# Altium PCB fastic-readout.PcbDoc (part 1 of 6) (continued)
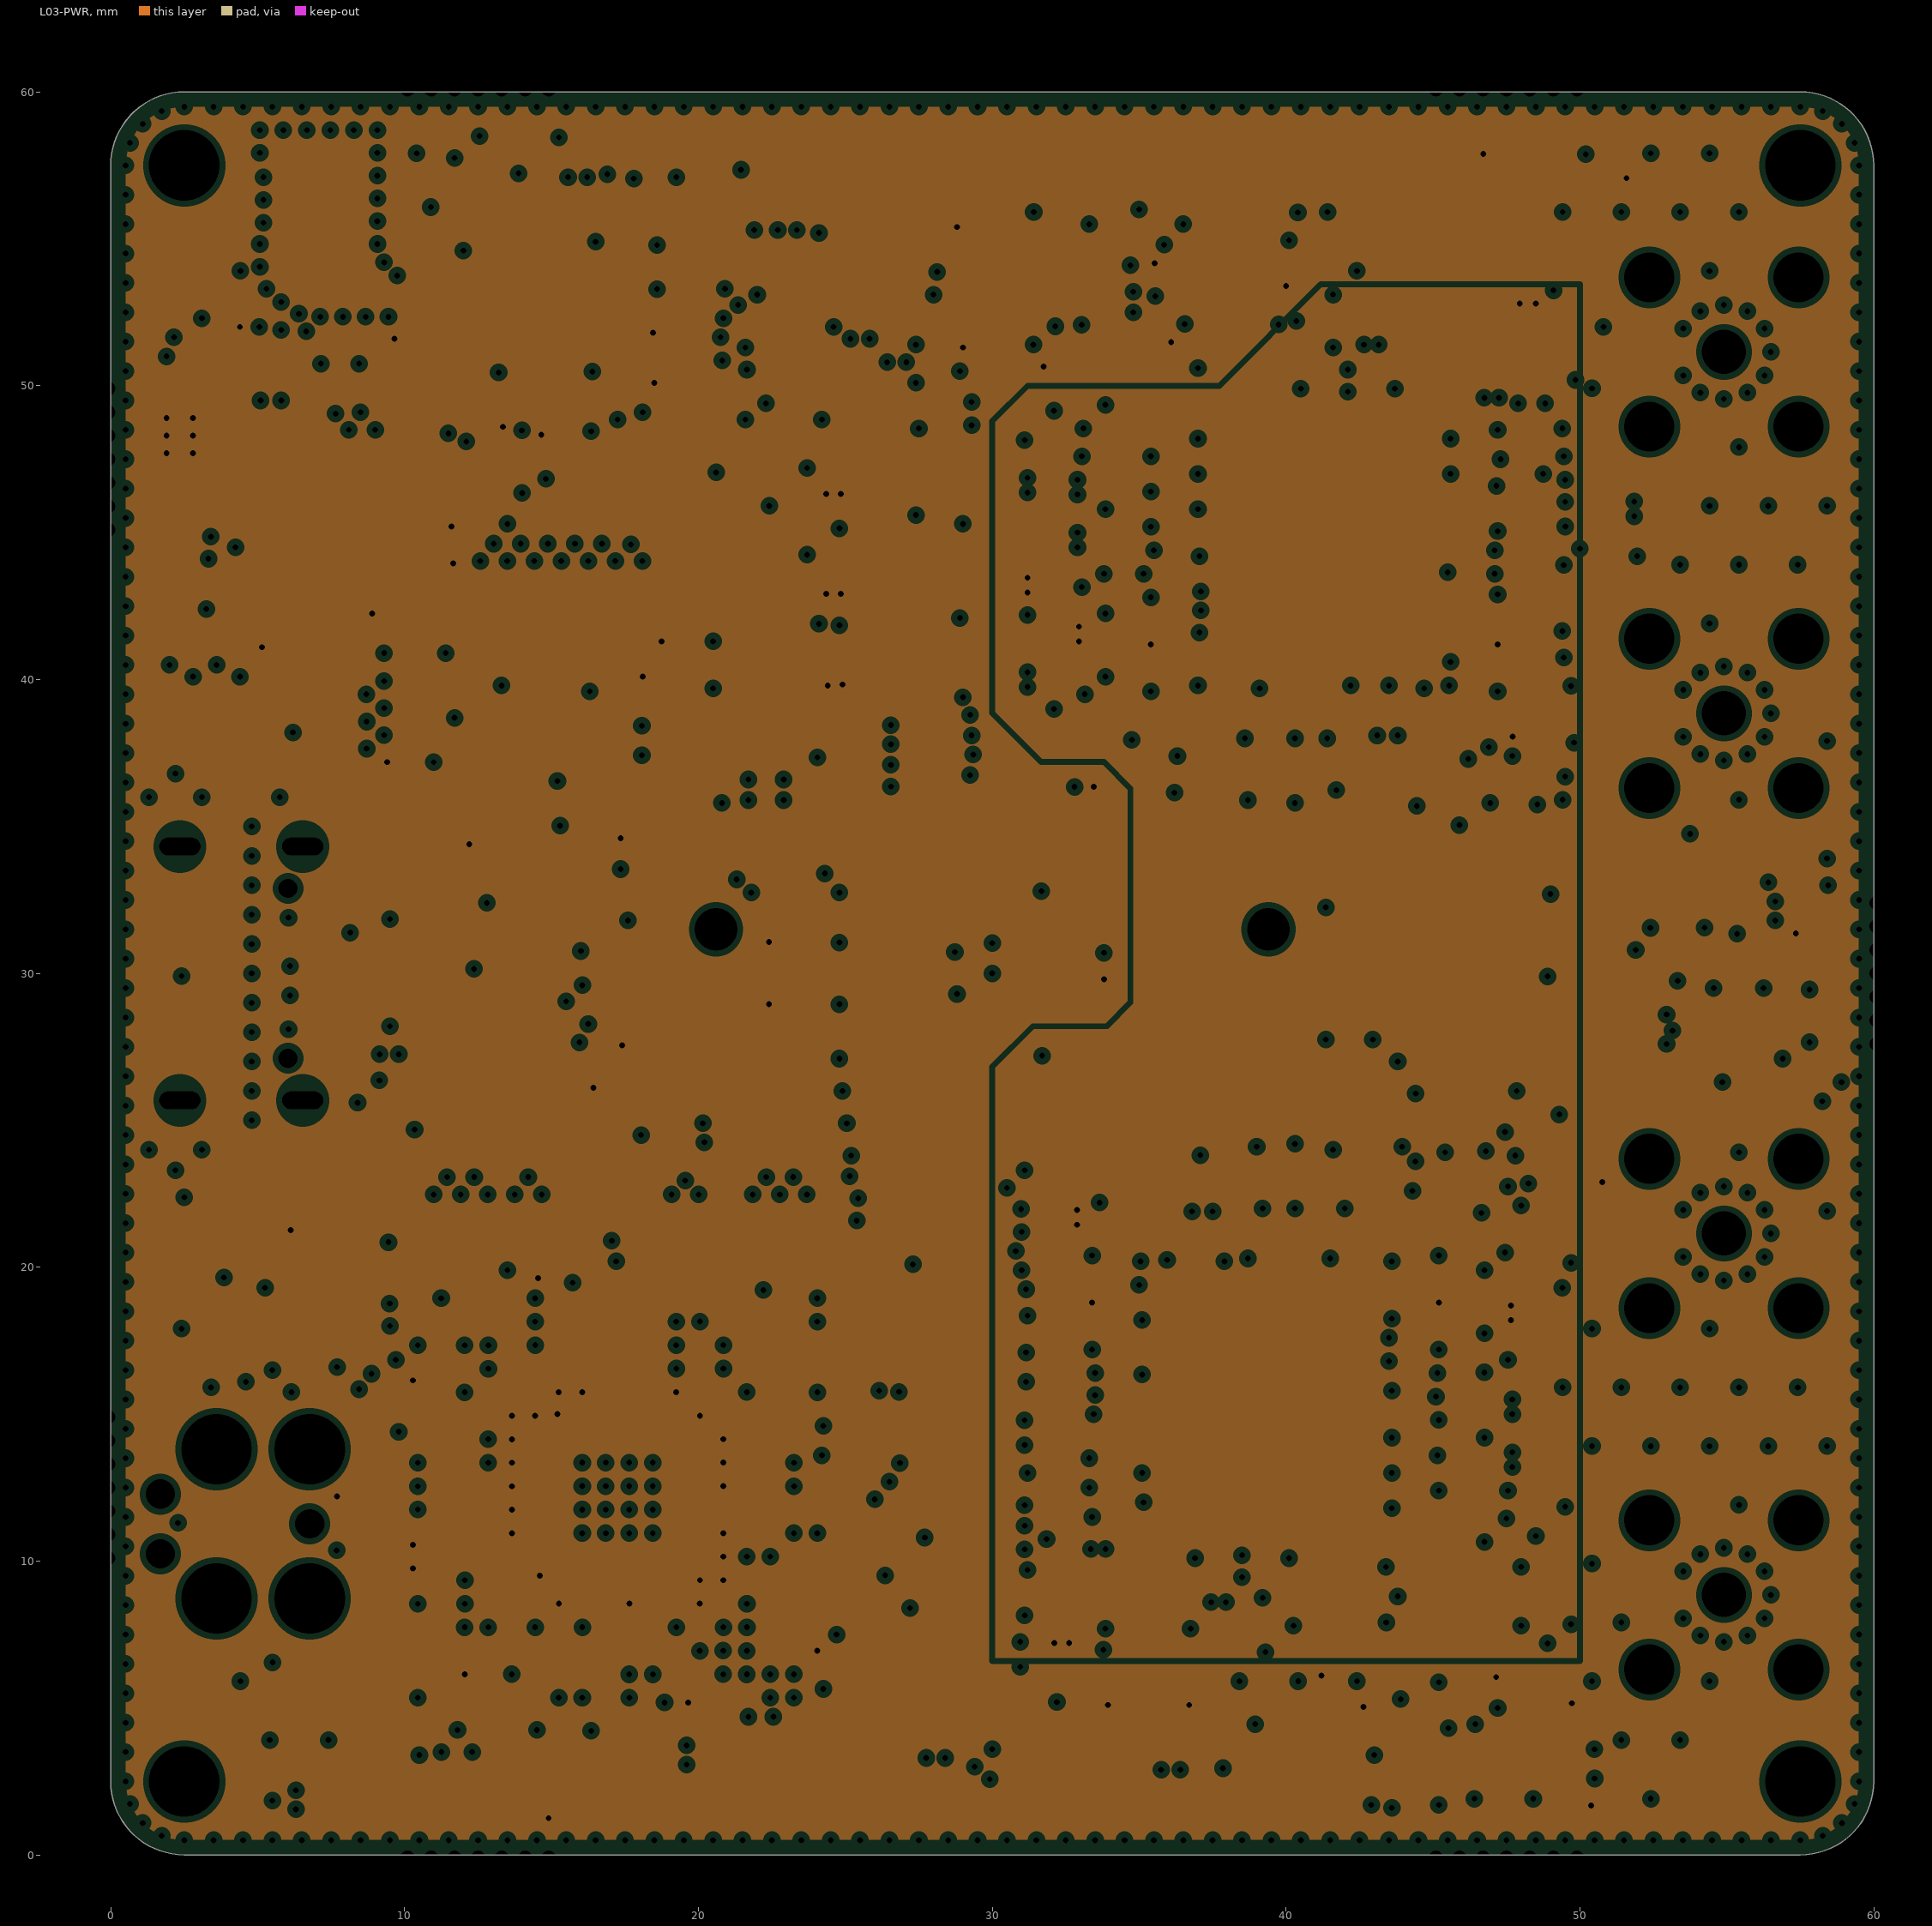
[diagram p3: L03-PWR, clearances drawn from the general rule]
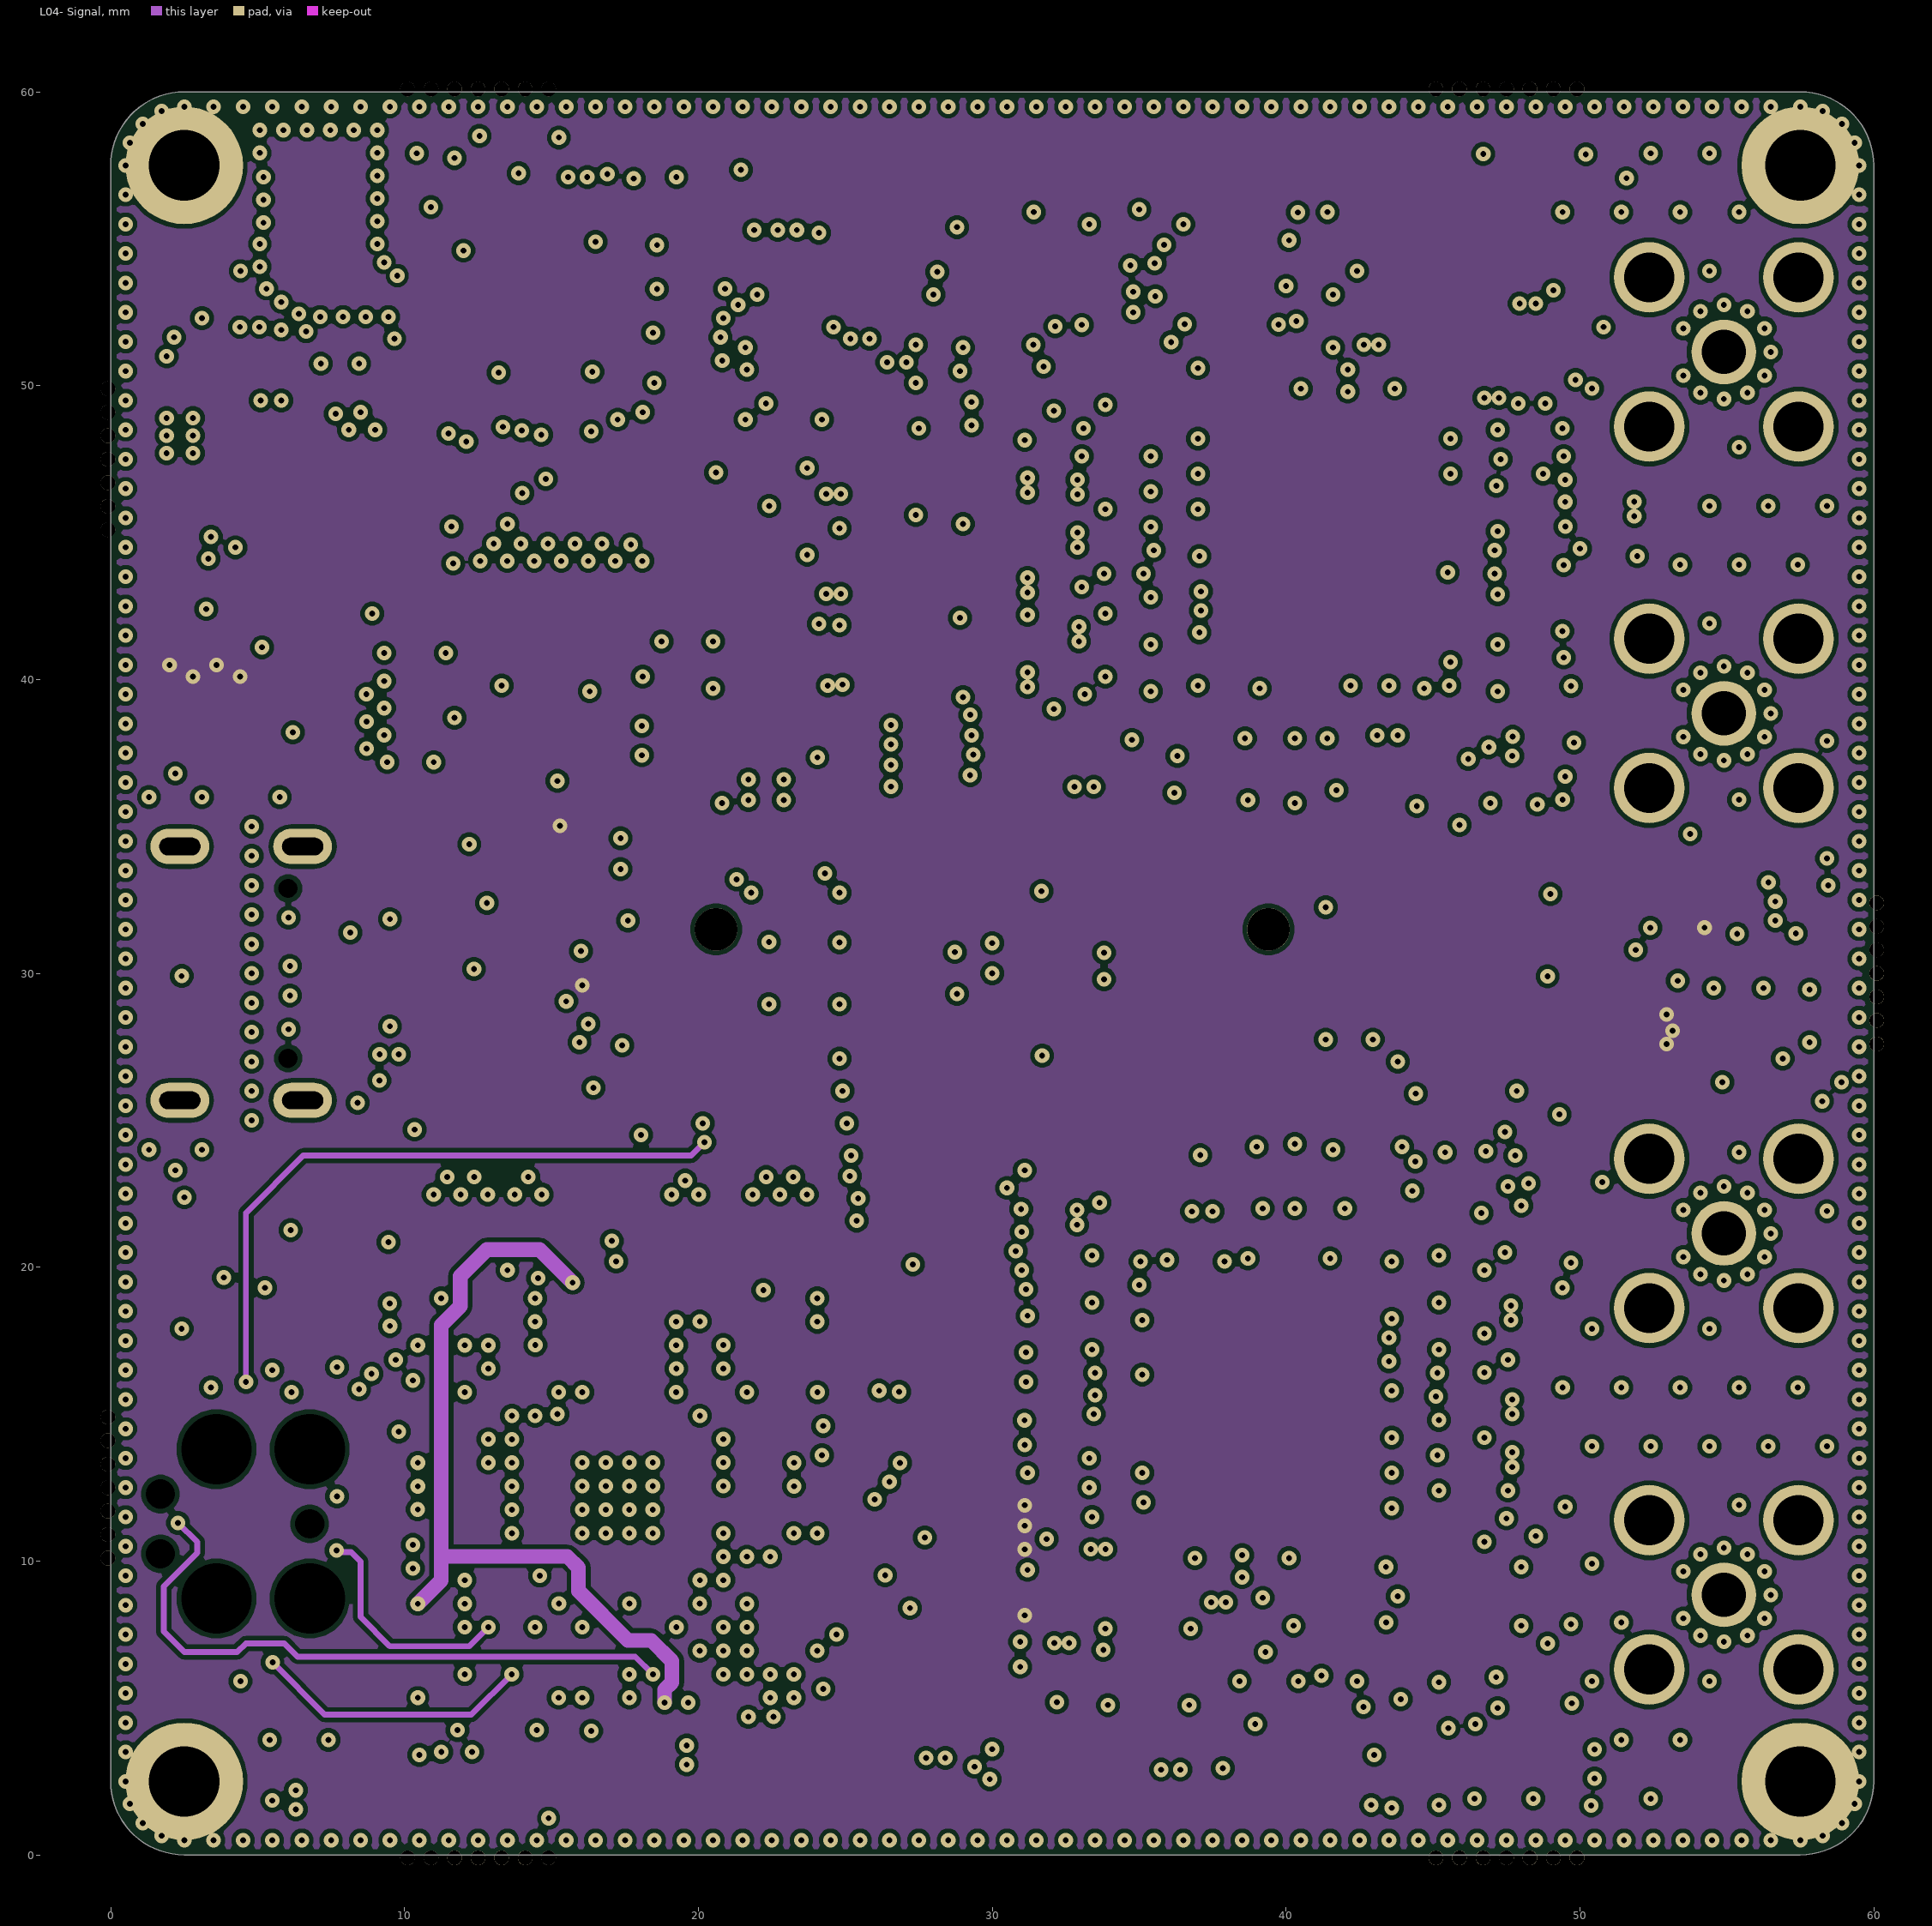
[diagram p4: L04- Signal]
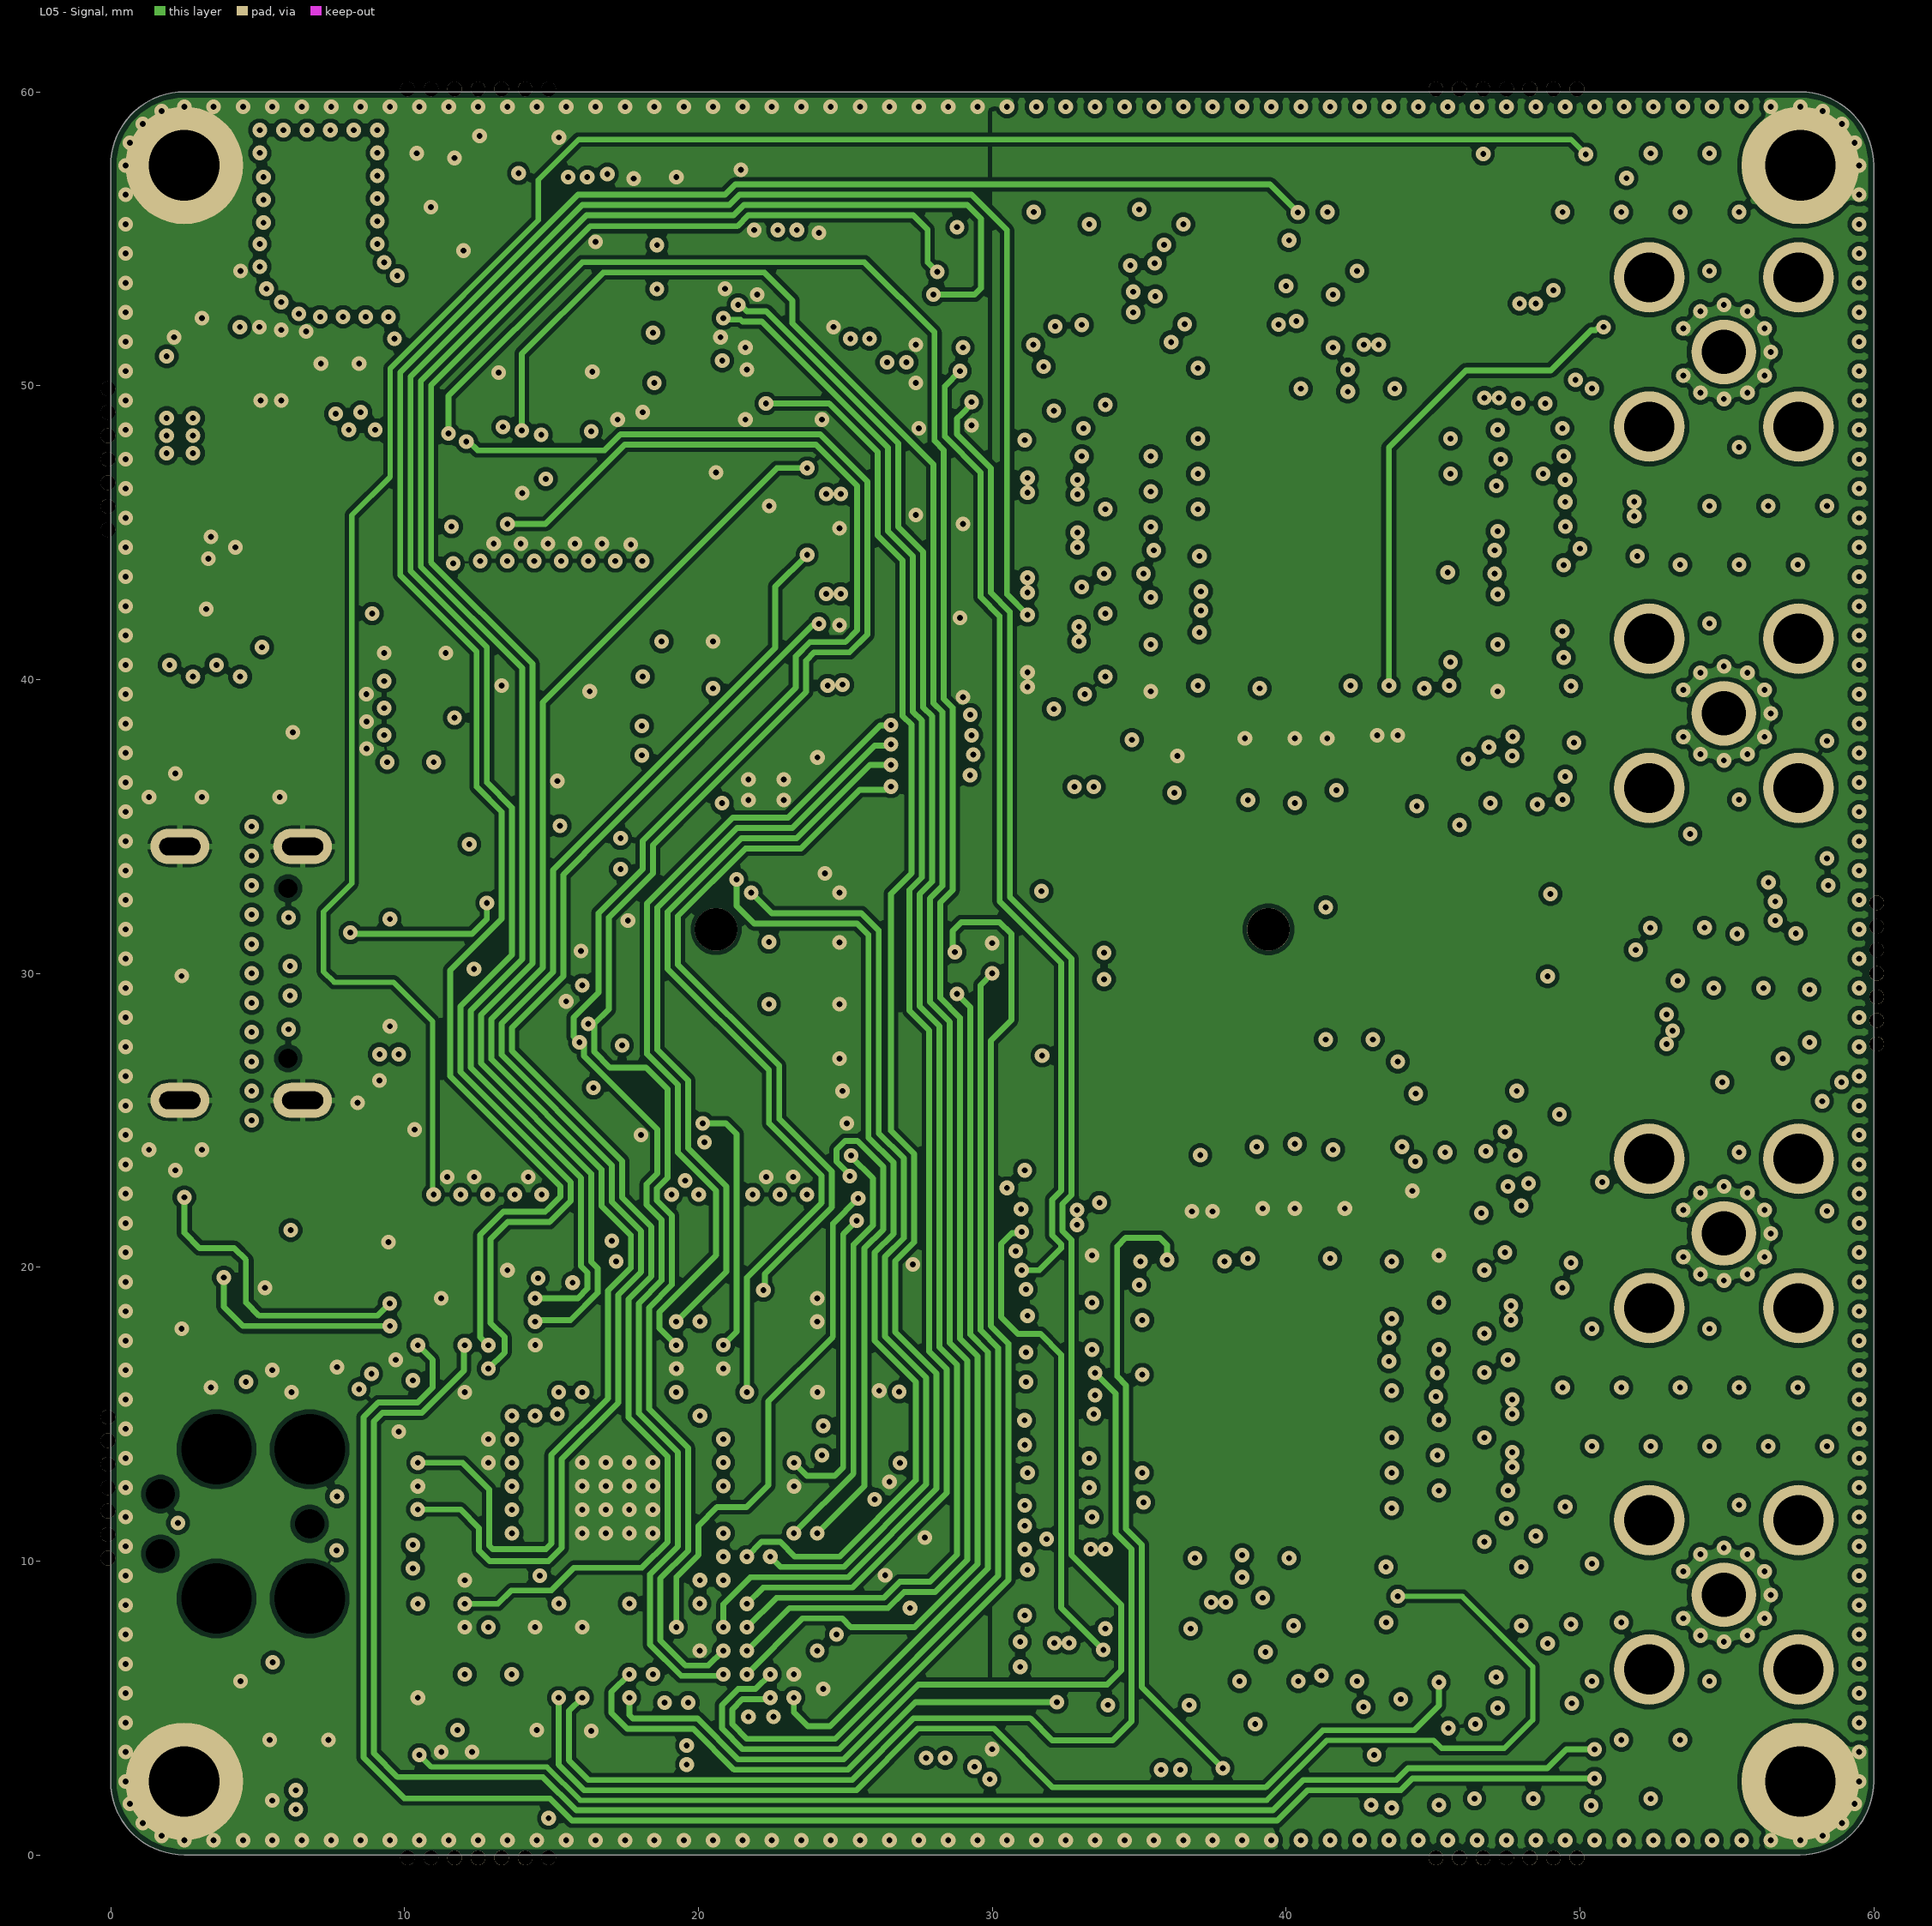
[diagram p5: L05 - Signal]
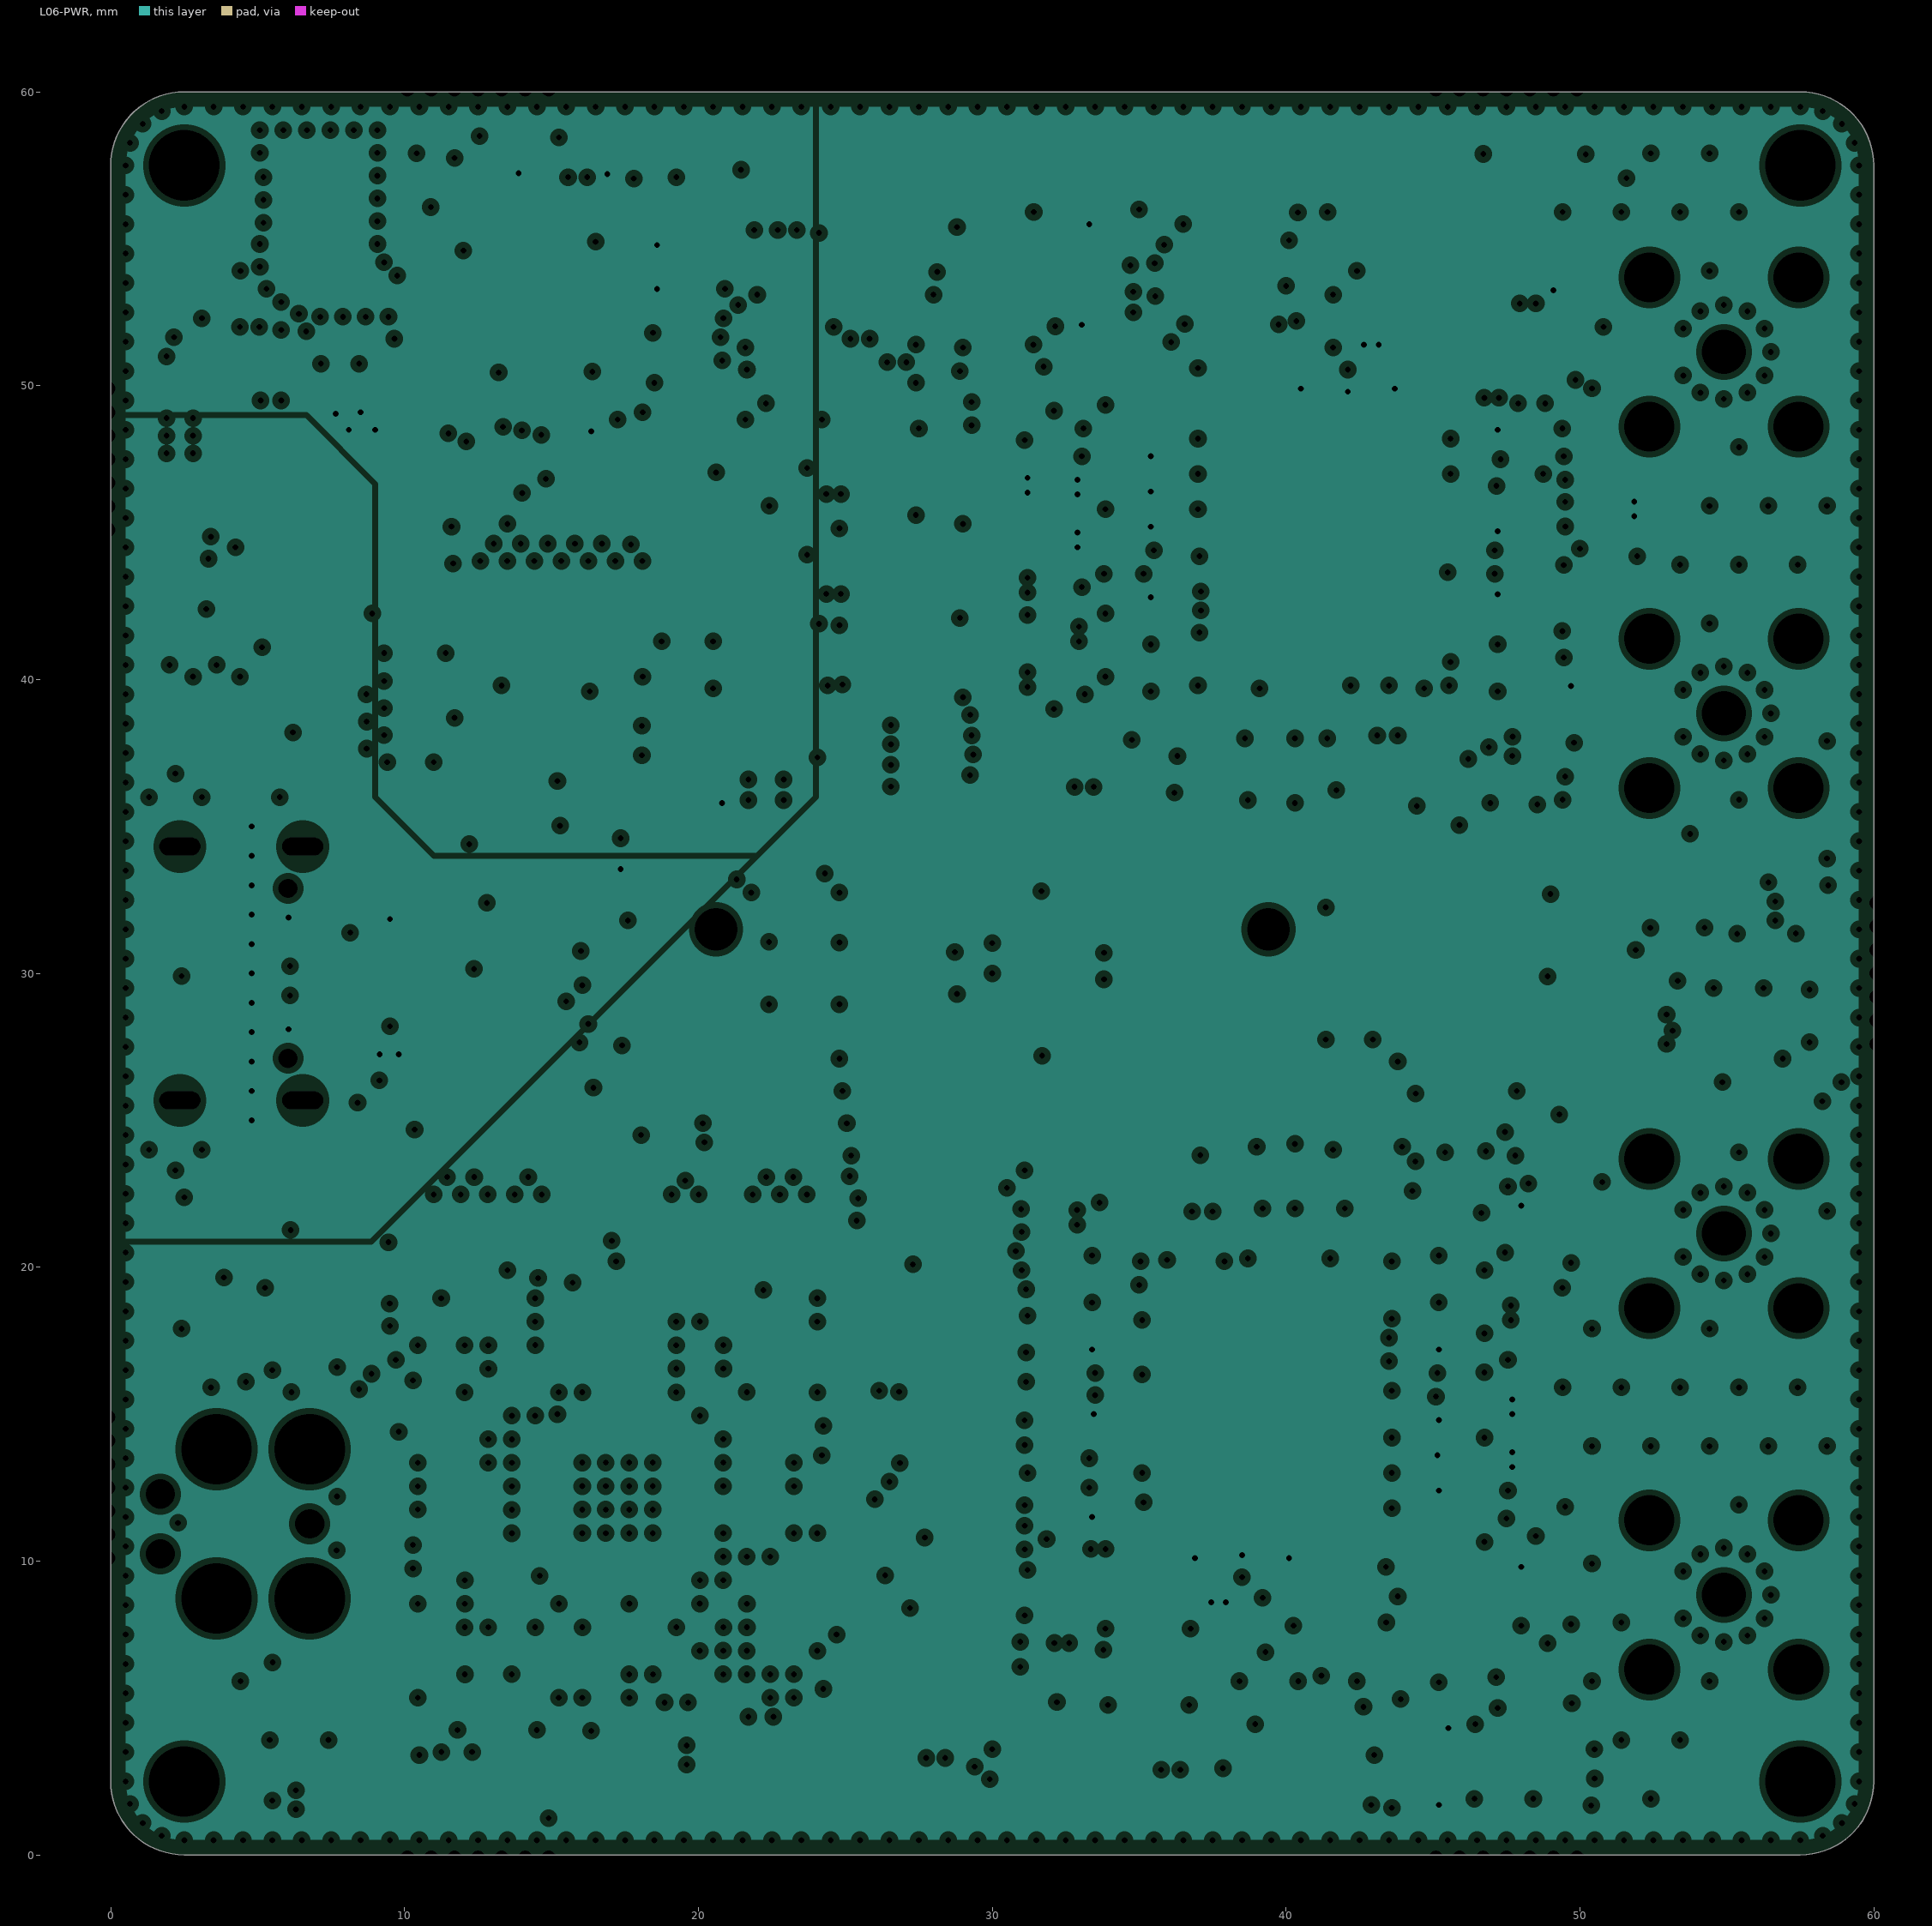
[diagram p6: L06-PWR, clearances drawn from the general rule]